# Altium PCB pcb.PcbDoc (part 1 of 3)
Units mm, origin at the board's own origin, x right, y up, seen from the top; angles counter-clockwise.
Board outline 141.5 x 36 mm, 4 copper layers (COMPONENT, GND1, GND2, SIGNAL), stack 1.62 mm thick; 144 components, 119 nets, 555 pads, 641 vias.
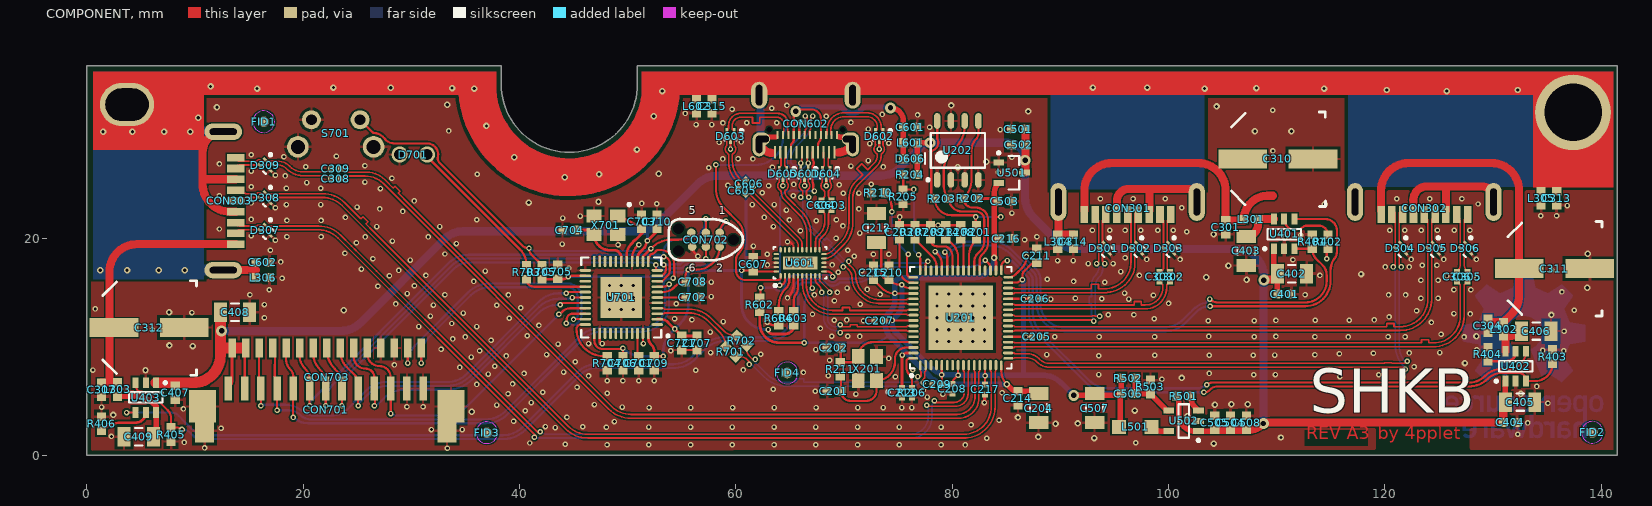
[diagram p0: COMPONENT view]
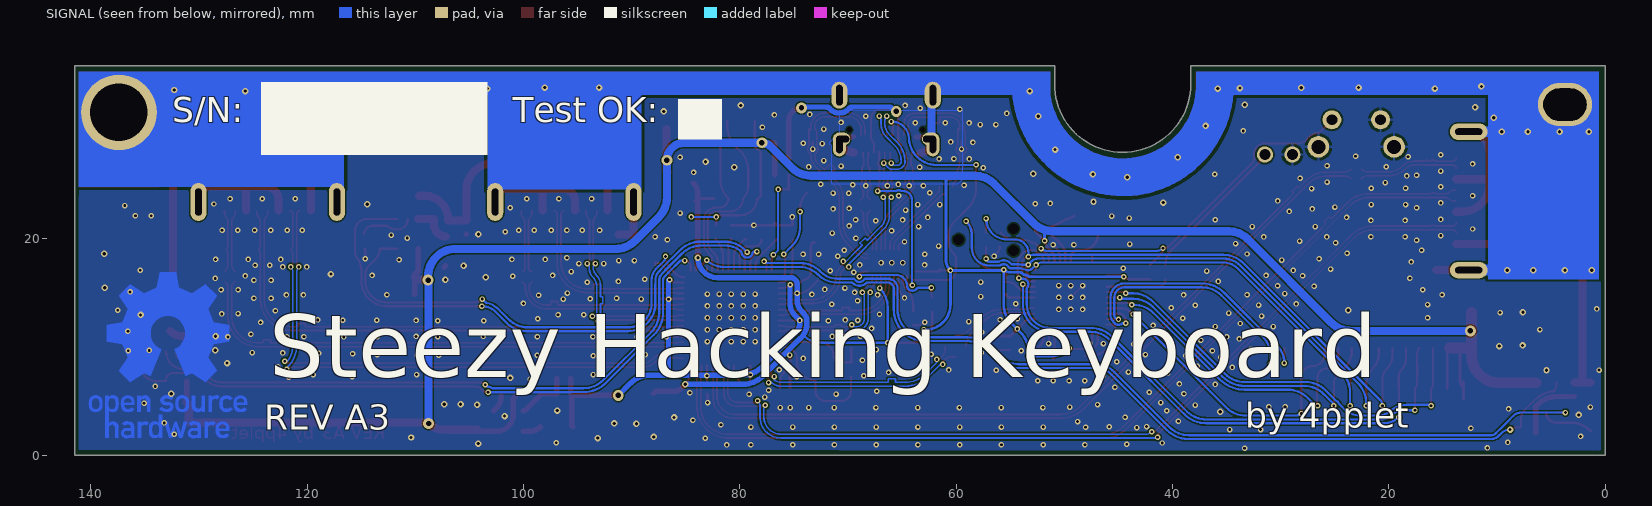
[diagram p1: SIGNAL view, seen from below]
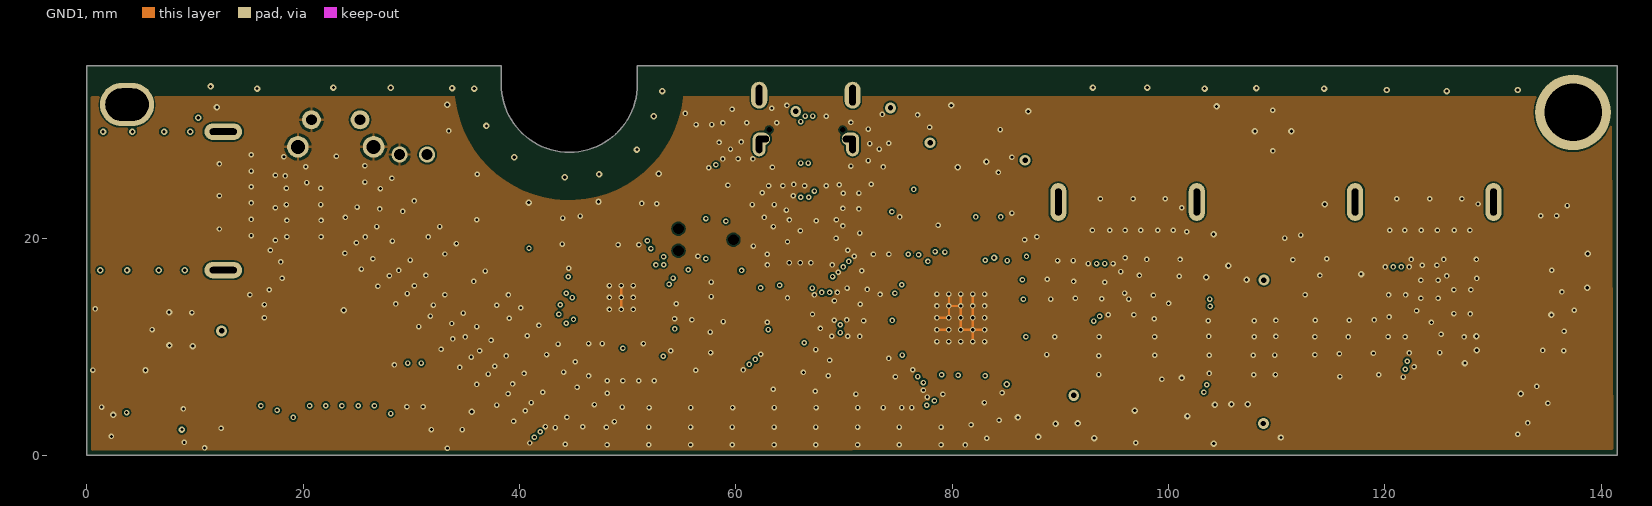
[diagram p2: GND1]
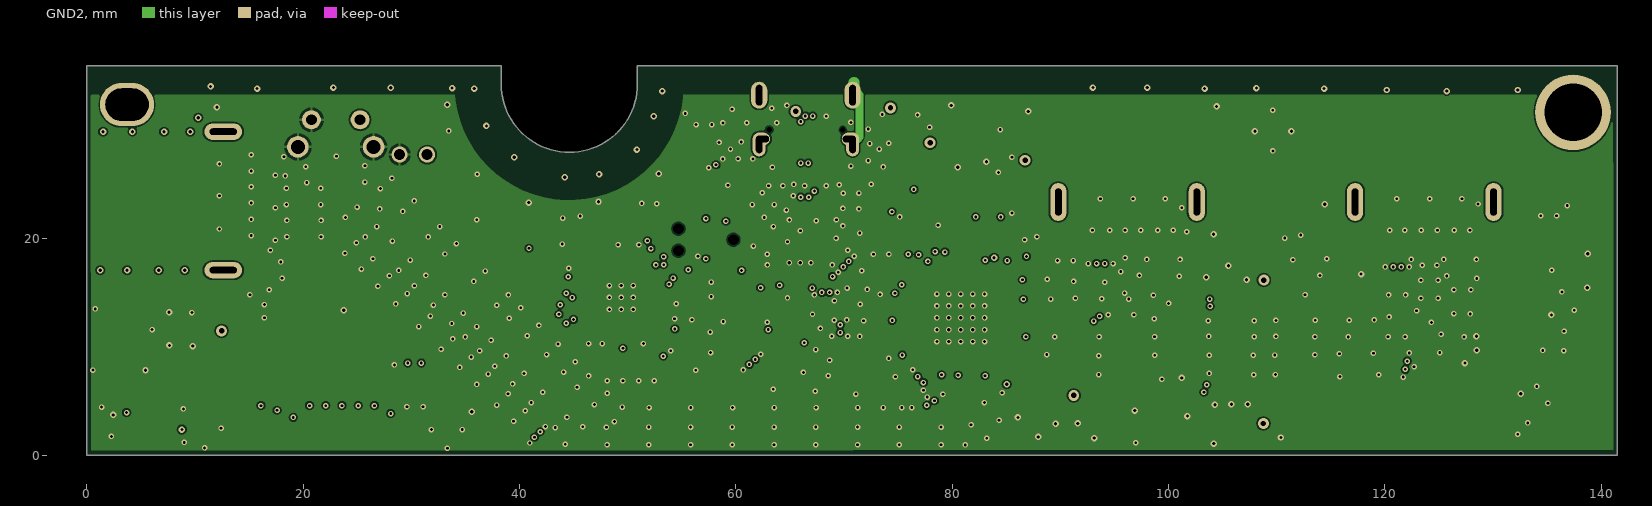
[diagram p3: GND2]

## Layer stack, top to bottom
Top Solder: solder mask 0.0102, Solder Resist, Dk 3.5
COMPONENT: signal copper 0.035
Dielectric 1: core 0.14, FR-4, Dk 4.6
GND1: signal copper 0.035
Dielectric 6: core 1.2, Dk 4.6
GND2: signal copper 0.035
Dielectric 4: core 0.14, Dk 4.6
SIGNAL: signal copper 0.035
Bottom Solder: solder mask 0.0102, Solder Resist, Dk 3.5

## Board outline
0,0 0,36 38.3,36 38.3,34.3 ccw(c44.6,34.3) 44.6,28 ccw(c44.6,34.3) 50.9,34.3 50.9,36 141.5,36 141.5,0

## Design rules (kind name [scope] priority, off if disabled: settings)
Clearance Clearance_3 [InComponent('U603') vs InNet('SHELD1')] p1 off: gap=0.152 ignorepadtopadclearanceinfootprint=FALSE except(0: Arc-Hole Track-Hole SMDPad-Hole THPad-Hole Via-Hole Fill-Hole Poly-Hole Region-Hole Text-Hole)
Clearance Clearance_1 [InNamedPolygon('Component_side_GND') vs InNet('SHELD1')] p2 off: gap=1.016 ignorepadtopadclearanceinfootprint=FALSE except(0: Arc-Hole Track-Hole SMDPad-Hole THPad-Hole Via-Hole Fill-Hole Poly-Hole Region-Hole Text-Hole)
Clearance Clearance_2 [InNamedPolygon('Solder Side-GND') vs InNet('SHELD1')] p3 off: gap=1.016 ignorepadtopadclearanceinfootprint=FALSE except(0: Arc-Hole Track-Hole SMDPad-Hole THPad-Hole Via-Hole Fill-Hole Poly-Hole Region-Hole Text-Hole)
Clearance [All] p4: gap=0.152 ignorepadtopadclearanceinfootprint=FALSE except(0: Arc-Hole Track-Hole SMDPad-Hole THPad-Hole Via-Hole Fill-Hole Poly-Hole Region-Hole Text-Hole)
DiffPairsRouting DiffPair_DIFF90DiffPairsRouting [InDifferentialPairClass('DIFF90')] p1: maxlimit=0.254 minlimit=0.127 mostfreqgap=0.203 toplayer_minwidth=0.152 toplayer_maxwidth=0.152 toplayer_prefwidth=0.152 midlayer2_minwidth=0.152 midlayer2_maxwidth=0.152 midlayer2_prefwidth=0.152 midlayer3_minwidth=0.152 midlayer3_maxwidth=0.152 midlayer3_prefwidth=0.152 bottomlayer_minwidth=0.152 bottomlayer_maxwidth=0.152 bottomlayer_prefwidth=0.152 maxuncoupledlength=0
DiffPairsRouting [All] p2: maxlimit=0.254 minlimit=0.203 mostfreqgap=0.203 toplayer_minwidth=0.152 toplayer_maxwidth=0.381 toplayer_prefwidth=0.152 midlayer2_minwidth=0.152 midlayer2_maxwidth=0.381 midlayer2_prefwidth=0.152 midlayer3_minwidth=0.152 midlayer3_maxwidth=0.381 midlayer3_prefwidth=0.152 bottomlayer_minwidth=0.152 bottomlayer_maxwidth=0.381 bottomlayer_prefwidth=0.152 maxuncoupledlength=12.7
DiffPairsRouting DiffPair_DiffPairsRouting [InDifferentialPairClass('DIFF90')] p3: maxlimit=0.254 minlimit=0.254 mostfreqgap=0.254 toplayer_minwidth=0.381 toplayer_maxwidth=0.381 toplayer_prefwidth=0.381 midlayer2_minwidth=0.381 midlayer2_maxwidth=0.381 midlayer2_prefwidth=0.381 midlayer3_minwidth=0.381 midlayer3_maxwidth=0.381 midlayer3_prefwidth=0.381 bottomlayer_minwidth=0.381 bottomlayer_maxwidth=0.381 bottomlayer_prefwidth=0.381 maxuncoupledlength=12.7
HoleSize [All] p1: absolutevalues=TRUE maxlimit=5.3 minlimit=0.254 maxpercent=80.000 minpercent=20.000
MatchedLengths MatchedLengths_USB_DiffPairs_3 [InxSignalClass('USB_CHCON301_1_RX_1') OR InxSignalClass('USB_CHCON301_1_TX_1')] p1: tolerance=0.127 checknetsindiffpair=TRUE checkdiffpairvsdiffpair=FALSE checkxsignals=FALSE checkothers=FALSE
MatchedLengths MatchedLengths_USB_DiffPairs_2 [InxSignalClass('USB_CHCON602_1_RX_2')] p2: tolerance=0.127 checknetsindiffpair=TRUE checkdiffpairvsdiffpair=FALSE checkxsignals=FALSE checkothers=FALSE
MatchedLengths MatchedLengths_USB_DiffPairs_1 [InxSignalClass('USB_CHCON602_1_RX_1') OR InxSignalClass('USB_CHCON602_1_TX_1')] p3: tolerance=0.127 checknetsindiffpair=TRUE checkdiffpairvsdiffpair=FALSE checkxsignals=FALSE checkothers=FALSE
MatchedLengths MatchedLengths_USB_DiffPairs_602 [InxSignalClass('USB_CHCON602_1_DL')] p4: tolerance=0.127 checknetsindiffpair=TRUE checkdiffpairvsdiffpair=FALSE checkxsignals=FALSE checkothers=FALSE
MatchedLengths MatchedLengths_USB_DiffPairs_303 [InxSignalClass('USB_CHCON303_1_DL') OR InxSignalClass('USB_CHCON303_1_RX') OR InxSignalClass('USB_CHCON303_1_TX')] p5: tolerance=0.127 checknetsindiffpair=TRUE checkdiffpairvsdiffpair=FALSE checkxsignals=FALSE checkothers=FALSE
MatchedLengths MatchedLengths_USB_DiffPairs_302 [InxSignalClass('USB_CHCON302_1_DL') OR InxSignalClass('USB_CHCON302_1_RX') OR InxSignalClass('USB_CHCON302_1_TX')] p6: tolerance=0.127 checknetsindiffpair=TRUE checkdiffpairvsdiffpair=FALSE checkxsignals=FALSE checkothers=FALSE
MatchedLengths MatchedLengths_USB_DiffPairs_301 [InxSignalClass('USB_CHCON301_1_DL') OR InxSignalClass('USB_CHCON301_1_RX') OR InxSignalClass('USB_CHCON301_1_TX')] p7: tolerance=0.127 checknetsindiffpair=TRUE checkdiffpairvsdiffpair=FALSE checkxsignals=FALSE checkothers=FALSE
MatchedLengths MatchedLengths_USB_DiffPairs_201 [InxSignalClass('USB_CHU201_1_RX') OR InxSignalClass('USB_CHU201_1_TX')] p8: tolerance=0.127 checknetsindiffpair=TRUE checkdiffpairvsdiffpair=FALSE checkxsignals=FALSE checkothers=FALSE
MatchedLengths MatchedLengths_USB_DiffPairs_All [InxSignalClass('All xSignals')] p9: tolerance=0.127 checknetsindiffpair=TRUE checkdiffpairvsdiffpair=FALSE checkxsignals=FALSE checkothers=FALSE
MatchedLengths MatchedLengths_USB_DiffPairs [InxSignalClass('USB_CHCON602_1_RX') OR InxSignalClass('USB_CHCON602_1_TX')] p10: tolerance=0.127 checknetsindiffpair=TRUE checkdiffpairvsdiffpair=FALSE checkxsignals=FALSE checkothers=FALSE
MinimumAnnularRing [All] p1: minimumring=0.102
MinimumSolderMaskSliver [All] p1 off: minsoldermaskwidth=0.15
PlaneClearance PlaneClearance_PADS [(InComponent('U201') Or InComponent('U701')) and InNet('PAD1')] p1: clearance=0.4
PlaneClearance [All] p2: clearance=0.508
PlaneConnect Power_connection_VBUS [InNet('PAD1') And (InComponent('U201') Or InComponent('U701'))] p1: planeconnectstyle=Relief reliefexpansion=0.3 reliefentries=4 reliefconductorwidth=0.15 reliefairgap=0.254
PlaneConnect Power_connection_VBUS_1 [InNet('NetC601_2')] p2: planeconnectstyle=Direct reliefexpansion=0.508 reliefentries=4 reliefconductorwidth=0.254 reliefairgap=0.254
PlaneConnect [All] p3: planeconnectstyle=Relief reliefexpansion=0.508 reliefentries=4 reliefconductorwidth=0.254 reliefairgap=0.254
PolygonConnect PolygonConnect_1 [All vs IsVia] p1: connectstyle=Direct reliefconductorwidth=0.254 reliefentries=4 polygonreliefangle="90 Angle" airgapwidth=0.254
PolygonConnect [All] p2: connectstyle=Relief reliefconductorwidth=0.254 reliefentries=4 polygonreliefangle="90 Angle" airgapwidth=0.254
RoutingVias RoutingVias_1 [InDifferentialPairClass('DIFF90')] p1: holewidth=0.254 width=0.254 viastyle="Through Hole" minholewidth=0.254 minwidth=0.508 maxholewidth=0.254 maxwidth=0.508
RoutingVias [All] p2: holewidth=0.254 width=0.508 viastyle="Through Hole" minholewidth=0.254 minwidth=0.508 maxholewidth=0.711 maxwidth=1.27
SolderMaskExpansion [All] p1: expansion=0.102 istentingtop=FALSE
Width Width_USB_traces [InNet('MCU_D_N') Or InNet('MCU_D_P')] p1: maxlimit=0.152 minlimit=0.152 preferedwidth=0.152
Width [All] p2: maxlimit=3.556 minlimit=0.152 preferedwidth=0.203
25 further rules are at their usual default settings.

## Classes and differential pairs
component class Designator: C201 C202 C203 C204 C205 C206 C207 C208 C209 C210 C211 C212 C213 C214 C215 C216 C217 FID1 FID2 FID3 FID4 R201 R202 R203 R204 R205 R206 R207 R208 R209 R210 R211 R214 U201 U202 X201
differential pair UP_SSTX: +UP_SSTX_P -UP_SSTX_N
differential pair UP_SSRX: +UP_SSRX_P -UP_SSRX_N
differential pair MCU_D_PRE: +MCU_D_PRE_P -MCU_D_PRE_N
differential pair UP_D: +UP_D_P -UP_D_N
differential pair P3_SSTX: +P3_SSTX_P -P3_SSTX_N
differential pair P3_SSTX_PRE: +P3_SSTX_PRE_P -P3_SSTX_PRE_N
differential pair P3_SSRX: +P3_SSRX_P -P3_SSRX_N
differential pair P3_D: +P3_D_P -P3_D_N
differential pair P2_SSTX: +P2_SSTX_P -P2_SSTX_N
differential pair P2_SSTX_PRE: +P2_SSTX_PRE_P -P2_SSTX_PRE_N
differential pair P2_SSRX: +P2_SSRX_P -P2_SSRX_N
differential pair P2_D: +P2_D_P -P2_D_N
differential pair P1_SSTX: +P1_SSTX_P -P1_SSTX_N
differential pair P1_SSTX_PRE: +P1_SSTX_PRE_P -P1_SSTX_PRE_N
differential pair P1_SSRX: +P1_SSRX_P -P1_SSRX_N
differential pair P1_D: +P1_D_P -P1_D_N
differential pair MCU_D: +MCU_D_P -MCU_D_N
differential pair UP_SSRX1: +UP_SSRX1_P -UP_SSRX1_N
differential pair UP_SSRX2: +UP_SSRX2_P -UP_SSRX2_N
differential pair UP_SSTX1_PRE: +UP_SSTX1_PRE_P -UP_SSTX1_PRE_N
differential pair UP_SSTX1: +UP_SSTX1_P -UP_SSTX1_N
differential pair UP_SSTX2_PRE: +UP_SSTX2_PRE_P -UP_SSTX2_PRE_N
differential pair UP_SSTX2: +UP_SSTX2_P -UP_SSTX2_N

## Components (designator, comment, footprint, x,y, rotation, side; value= is the part's Value field where it differs from the comment)
C201 "" C0603[1608] 69.063,5.918 r0 top value=27pF
C202 "" C0603[1608] 69.037,9.931 r0 top value=27pF
C203 "" C0603[1608] 75.133,20.599 r90 top value=1uF
C204 "" C1206[3216] 87.986,4.343 r90 top value=10uF
C205 "" C0402[1005] 87.833,10.922 r180 top value=0.1uF
C206 "" C0402[1005] 87.681,14.453 r180 top value=0.1uF
C207 "" C0402[1005] 73.279,12.421 r0 top value=0.1uF
C208 "" C0402[1005] 80.01,6.121 r90 top value=0.1uF
C209 "" C0402[1005] 78.606,6.528 r0 top value=0.1uF
C210 "" C0603[1608] 74.143,16.851 r270 top value=0.1uF
C211 "" C0603[1608] 87.808,18.44 r270 top value=0.1uF
C212 "" C1206[3216] 73,21.006 r270 top value=10uF
C213 "" C0402[1005] 75.362,5.766 r90 top value=0.1uF
C214 "" C0603[1608] 86.081,5.258 r90 top value=0.1uF
C215 "" C0603[1608] 72.718,16.851 r270 top value=0.1uF
C216 "" C0603[1608] 84.973,20.015 r180 top value=0.1uF
C217 "" C0402[1005] 83.033,6.071 r90 top value=0.1uF
C301 "" C0603[1608] 105.283,21.057 r90 top value=0.1uF
C302 "" C0402[1005] 100.127,16.5 r270 top value=0.1uF
C303 "" C0402[1005] 99.175,16.5 r270 top value=0.1uF
C304 "" C0603[1608] 129.536,11.952 r90 top value=0.1uF
C305 "" C0402[1005] 127.635,16.5 r90 top value=0.1uF
C306 "" C0402[1005] 126.675,16.5 r90 top value=0.1uF
C307 "" C0603[1608] 1.346,6.045 r90 top value=0.1uF
C308 "" C0402[1005] 23,25.552 r180 top value=0.1uF
C309 "" C0402[1005] 23,26.467 r180 top value=0.1uF
C310 "" C_9L_9M 110.109,27.381 r0 top value=120-150uF
C311 "" C_9L_9M 135.687,17.247 r0 top value=120-150uF
C312 "" C_9L_9M 5.74,11.786 r0 top value=120-150uF
C313 "" C0603[1608] 135.899,23.749 r90 top value=0.1uF
C314 "" C0603[1608] 91.211,19.736 r90 top value=0.1uF
C315 "" C0603[1608] 57.798,32.25 r90 top value=0.1uF
C401 "" C0603[1608] 110.744,14.884 r180 top value=0.1uF
C402 "" C1206[3216] 111.404,16.764 r180 top value=4.7uF
C403 "" C1206[3216] 107.188,18.872 r90 top value=22uF
C404 "" C0603[1608] 131.597,3.023 r180 top value=0.1uF
C405 "" C1206[3216] 132.512,4.902 r180 top value=4.7uF
C406 "" C1206[3216] 134.006,11.469 r180 top value=22uF
C407 "" C0603[1608] 8.153,5.766 r90 top value=0.1uF
C408 "" C1206[3216] 13.691,13.208 r180 top value=4.7uF
C409 "" C1206[3216] 4.783,1.695 r0 top value=22uF
C501 "" C0603[1608] 86.121,30.15 r0 top value=4,7uF
C502 "" C0603[1608] 86.131,28.677 r0 top value=1uF
C503 "" C0603[1608] 84.861,23.47 r180 top value=1uF
C504 "" C0603[1608] 105.74,3 r270 top value=1uF
C505 "" C0603[1608] 104.267,3 r270 top value=0.1uF
C506 "" C0603[1608] 96.266,5.69 r180 top value=18pF
C507 "" C1206[3216] 93.167,4.343 r90 top value=10uF
C508 "" C0603[1608] 107.213,3 r270 top value=1uF
C601 "" C0603[1608] 76.124,30.328 r180 top value=0.1uF
C602 "" C0603[1608] 16.25,17.813 r180 top value=0.1uF
C603 "" C0402[1005] 68.852,23.114 r270 top value=0.1uF
C604 "" C0402[1005] 67.904,23.114 r270 top value=0.1uF
C605 "" C0402[1005] 60.57,24.452 r315 top value=0.1uF
C606 "" C0402[1005] 61.216,25.099 r315 top value=0.1uF
C607 "" C0603[1608] 61.595,17.653 r270 top value=0.1uF
C701 "" C0603[1608] 51.016,8.5 r270 top value=0.1uF
C702 "" C0603[1608] 56.007,14.605 r0 top value=1uF
C703 "" C0603[1608] 51.283,21.565 r270 top value=18pF
C704 "" C0603[1608] 44.628,20.803 r0 top value=18pF
C705 "" C0603[1608] 43.536,16.942 r270 top value=0.1uF
C706 "" C0603[1608] 49.555,8.5 r90 top value=0.1uF
C707 "" C0603[1608] 56.413,10.363 r90 top value=0.1uF
C708 "" C0603[1608] 56.007,16.027 r180 top value=0.1uF
C709 "" C0603[1608] 52.451,8.5 r90 top value=1uF
C710 "" C0603[1608] 52.705,21.565 r270 top value=0.1uF
C721 "" C0603[1608] 54.991,10.363 r90 top value=0.1uF
CON301 "XKB USB-A u231-091n-4blra00-s" "XKB USB-A U231-091N-4BLRA00-S" 96.215,23.4 r180 top
CON302 "XKB USB-A u231-091n-4blra00-s" "XKB USB-A U231-091N-4BLRA00-S" 123.65,23.4 r180 top
CON303 "XKB USB-A u231-091n-4blra00-s" "XKB USB-A U231-091N-4BLRA00-S" 12.6,23.5 r270 top locked
CON602 "for up to 1.6mm pcb" "XKB USB-C U262-241N-4BV64" 66.472,31 r180 top locked
CON701 "HHKB-board connector" "JST S13B-ZR-SM4A-TF(LF)(SN)" 31.078,6.147 r180 top locked
CON702 "TC2030-IDC" TC2030-IDC-NL 57.226,19.914 r180 top
CON703 "HHKB-board connector JP" DF14A-15P-1.25H 22.161,4.5 r180 top locked
D301 "TPD2EUSB30A" TPD2EUSB30A 94.15,19 r315 top
D302 "TPD2EUSB30A" TPD2EUSB30A 97.15,19 r315 top
D303 "TPD2EUSB30A" TPD2EUSB30A 100.14,19 r315 top
D304 "TPD2EUSB30A" TPD2EUSB30A 121.57,19 r315 top
D305 "TPD2EUSB30A" TPD2EUSB30A 124.57,19 r315 top
D306 "TPD2EUSB30A" TPD2EUSB30A 127.575,19 r315 top
D307 "TPD2EUSB30A" TPD2EUSB30A 16.594,20.668 r315 top
D308 "TPD2EUSB30A" TPD2EUSB30A 16.594,23.671 r315 top
D309 "TPD2EUSB30A" TPD2EUSB30A 16.594,26.693 r315 top
D601 "TPD2EUSB30A" TPD2EUSB30A 66.345,26 r270 top locked
D602 "TPD2EUSB30A" TPD2EUSB30A 73.25,29.5 r270 top
D603 "TPD2EUSB30A" TPD2EUSB30A 59.5,29.5 r270 top
D604 "TPD2EUSB30A" TPD2EUSB30A 68.351,26 r270 top
D605 "TPD2EUSB30A" TPD2EUSB30A 64.353,26 r270 top
D606 "Diode" LED0603[1608] 76.124,27.407 r0 top
D701 "LED1" "KINGBRIGHT WP934EW" 30.175,27.788 r0 top
FID1 "Plug" FIDUCIAL_NORDIC 16.345,30.823 r180 top
FID2 "Plug" Fiducial_Nordic 139.192,2.108 r270 top
FID3 "Plug" FIDUCIAL_NORDIC 36.972,2.072 r180 top
FID4 "Plug" Fiducial_Nordic 64.745,7.595 r270 top
L301 "Inductor" L0603[1608] 107.62,21.793 r180 top value="220 @ 100MHz, 2A"
L302 "Inductor" L0603[1608] 130.983,11.647 r90 top value="220 @ 100MHz, 2A"
L303 "Inductor" L0603[1608] 2.819,6.071 r90 top value="220 @ 100MHz, 2A"
L304 "Inductor" L0603[1608] 89.764,19.736 r90 top value="220 @ 100MHz, 2A"
L305 "Inductor" L0603[1608] 134.449,23.749 r90 top value="220 @ 100MHz, 2A"
L306 "Inductor" L0603[1608] 16.25,16.416 r180 top value="220 @ 100MHz, 2A"
L501 "Inductor" CDRH2D14 96.926,2.616 r180 top value=2.2uH@1.3A
L601 "Inductor" L0603[1608] 76.124,28.88 r0 top value="220 @ 100MHz, 2A"
L602 "Inductor" L0603[1608] 56.35,32.25 r90 top value="220 @ 100MHz, 2A"
R201 "" R0603[1608] 82.245,20.6 r270 top value=4K7
R202 "" R0603[1608] 81.701,23.734 r0 top value=4K7
R203 "" R0603[1608] 79.045,23.724 r180 top value=4K7
R204 "" R0603[1608] 76.124,25.933 r0 top value=90.9K
R205 "" R0603[1608] 75.463,23.876 r270 top value=10K
R206 "" R0402[1005] 76.276,5.766 r90 top value=9K53
R207 "" R0603[1608] 76.556,20.599 r270 top value=4K7
R208 "" R0603[1608] 80.797,20.6 r270 top value=4K7
R209 "" R0603[1608] 77.978,20.6 r270 top value=4K7
R210 "" R0603[1608] 73.152,24.257 r0 top value=4K7
R211 "" R0603[1608] 69.647,7.925 r90 top value=1M
R214 "" R0603[1608] 79.4,20.6 r270 top value=4K7
R401 "" R0603[1608] 113.284,19.736 r90 top value=47K
R402 "" R0603[1608] 114.732,19.736 r270 top value=28K7
R403 "" R0603[1608] 135.505,9.107 r90 top value=47K
R404 "" R0603[1608] 129.536,9.336 r90 top value=28K7
R405 "" R0603[1608] 7.781,1.899 r270 top value=47K
R406 "" R0603[1608] 1.346,2.896 r90 top value=28K7
R501 "" R0603[1608] 101.397,5.436 r0 top value=10K
R502 "" R0603[1608] 96.291,7.112 r0 top value=237K
R503 "" R0603[1608] 98.323,6.299 r90 top value=200K
R602 "" R0603[1608] 62.205,13.909 r270 top value=200K
R603 "" R0603[1608] 65.354,12.649 r270 top value=909K
R604 "" R0603[1608] 63.957,12.649 r270 top value=4K7
R701 "" R0603[1608] 59.524,9.562 r135 top value=22R
R702 "" R0603[1608] 60.537,10.58 r135 top value=22R
R703 "" R0603[1608] 40.64,16.916 r90 top value=1K
R704 "" R0603[1608] 48.108,8.5 r90 top value=10K
R705 "" R0603[1608] 42.062,16.916 r270 top value=10K
S701 "SW-PB" "WURTH 431256038736" 23,31 r180 top locked
U201 "TUSB8041" TUSB8041_VQFN 80.79,12.694 r90 top locked
U202 "STMicroelectronics M24C02-WMN6TP" "STMicroelectronics M24C02-WMN6TP" 80.518,28.169 r90 top value=2KB
U401 "TPS2552D" SOT-23-6 110.693,20.447 r90 top
U402 "TPS2552D" SOT-23-6 132.101,8.218 r90 top
U403 "TPS2552D" SOT-23-6 5.436,5.309 r270 top
U501 "SOT23 LDO" SOT-23-3 85.496,26.111 r0 top
U502 "LM3674" SOT-23-5 101.39,3.157 r180 top
U601 "hd3ss3220" HD3SS3220 65.938,17.78 r90 top locked
U701 "ATMEGA32U4" ATMEGA32U4 49.403,14.572 r180 top
X201 "XTAL" XTAL-3225 72.161,8.001 r90 top value=24MHZ
X701 "XTAL" XTAL-3225 47.981,21.26 r180 top

## Footprints (in the part's own frame and the unit in brackets; to place one, negate y for a bottom-side part, rotate by r counter-clockwise, add the part's x,y. Pads: shape width x height; smd on the part's side, far side on the other; paste and mask are expansions set on the pad)
ATMEGA32U4 [mm]
  oval 1.05x0.25 smd: 1(-3.325,2.5) 2(-3.325,2) 3(-3.325,1.5) 4(-3.325,1) 5(-3.325,0.5) 6(-3.325,0) 7(-3.325,-0.5) 8(-3.325,-1) 9(-3.325,-1.5) 10(-3.325,-2) 11(-3.325,-2.5) 23(3.325,-2.5) 24(3.325,-2) 25(3.325,-1.5) 26(3.325,-1) 27(3.325,-0.5) 28(3.325,0) 29(3.325,0.5) 30(3.325,1) 31(3.325,1.5) 32(3.325,2) 33(3.325,2.5)
  oval 0.25x1.05 smd: 12(-2.5,-3.325) 13(-2,-3.325) 14(-1.5,-3.325) 15(-1,-3.325) 16(-0.5,-3.325) 17(0,-3.325) 18(0.5,-3.325) 19(1,-3.325) 20(1.5,-3.325) 21(2,-3.325) 22(2.5,-3.325) 34(2.5,3.325) 35(2,3.325) 36(1.5,3.325) 37(1,3.325) 38(0.5,3.325) 39(0,3.325) 40(-0.5,3.325) 41(-1,3.325) 42(-1.5,3.325) 43(-2,3.325) 44(-2.5,3.325)
  rect 3.81x3.81 smd paste-1000: 45(0,0)
  silkscreen extent -4.44,-3.7 3.7,3.7, body extent -3.6,-3.6 3.6,3.6, height 1
C0402[1005] [mm] "Chip Resistor, 2-Leads, Body 1,00x0,50mm, IPC Medium Density"
  rect 0.55x0.55 smd: 1(-0.45,0) 2(0.45,0)
  body extent -0.32,-0.27 0.33,0.28, height 0.5
C0603[1608] [mm] "Chip Resistor, 2-Leads, Body 1,57x0,80mm, IPC Medium Density"
  rect 0.8x0.85 smd: 1(-0.65,0) 2(0.65,0)
  body extent -0.83,-0.43 0.82,0.43, height 0.5
C1206[3216] [mm]
  rect 1.2x1.8 smd: 1(-1.35,0) 2(1.35,0)
  silkscreen extent -0.35,-0.8 0.35,0.8, body extent -1.6,-0.9 1.6,0.9, height 1.2
C_9L_9M [mm] "Size 9L and 9M Aluminium capacitor"
  rect 4.5x1.75 smd: 1(3.25,0) 2(-3.25,0)
  silkscreen extent -4.29,-4.39 4.39,4.34, body extent -4.8,-4.26 4.8,4.24, height 6.5
CDRH2D14 [mm]
  rect 1.3x1.3 smd: 1(-1.5,0) 2(1.5,0)
  body extent -1.76,-1.8 1.81,1.82, height 0.76
DF14A-15P-1.25H [mm]
  rect 0.7x1.8 smd: 1(8.75,-5.4) 2(7.5,-5.4) 3(6.25,-5.4) 4(5,-5.4) 5(3.75,-5.4) 6(2.5,-5.4) 7(1.25,-5.4) 8(0,-5.4) 9(-1.25,-5.4) 10(-2.5,-5.4) 11(-3.75,-5.4) 12(-5,-5.4) 13(-6.25,-5.4) 14(-7.5,-5.4) 15(-8.75,-5.4)
  rect 2.5x3 smd: 16(-11.5,0) 16(11.5,0)
FIDUCIAL_NORDIC [mm]
  round 1 smd paste+0 mask+0.5: 0(0,0)
  COMPONENT keep-out circle w0.01: c0,0 r1
Fiducial_Nordic [mm]
  round 1 smd paste+0 mask+0.5: 0(0,0)
  COMPONENT keep-out circle w0.01: c0,0 r1
HD3SS3220 [mm]
  oval 0.5x0.2 smd: 1(-1.2,1.8) 2(-1.2,1.4) 3(-1.2,1) 4(-1.2,0.6) 5(-1.2,0.2) 6(-1.2,-0.2) 7(-1.2,-0.6) 8(-1.2,-1) 9(-1.2,-1.4) 10(-1.2,-1.8) 16(1.2,-1.8) 17(1.2,-1.4) 18(1.2,-1) 19(1.2,-0.6) 20(1.2,-0.2) 21(1.2,0.2) 22(1.2,0.6) 23(1.2,1) 24(1.2,1.4) 25(1.2,1.8)
  oval 0.2x0.5 smd: 11(-0.8,-2.2) 12(-0.4,-2.2) 13(0,-2.2) 14(0.4,-2.2) 15(0.8,-2.2) 26(0.8,2.2) 27(0.4,2.2) 28(0,2.2) 29(-0.4,2.2) 30(-0.8,2.2)
  rect 1.2x3.2 smd paste-1: 31(0,0)
  silkscreen extent -2.22,-2.45 1.45,2.45, body extent -1.35,-2.35 1.35,2.35, height 0.8
"JST S13B-ZR-SM4A-TF(LF)(SN)" [mm]
  rect 0.7x2.2 smd: 1(0,0) 2(1.5,0) 3(3,0) 4(4.5,0) 5(6,0) 6(7.5,0) 7(9,0) 8(10.5,0) 9(12,0) 10(13.5,0) 11(15,0) 12(16.5,0) 13(18,0)
  rect 1.75x2.2 smd: 14(-2.2,3.9) 14(20.2,3.9)
  body extent -2.23,-0.53 20.27,5.97, height 3.7
"KINGBRIGHT WP934EW" [mm]
  round 1.5 hole 1 mask+0.102: 1(-1.27,0) 2(1.27,0)
  body extent -2.16,-1.9 2.16,6.98, height 7.35
L0603[1608] [mm] "Chip Resistor, 2-Leads, Body 1,57x0,80mm, IPC Medium Density"
  rect 0.8x0.85 smd: 1(-0.65,0) 2(0.65,0)
  body extent -0.83,-0.43 0.82,0.43, height 0.5
LED0603[1608] [mm] "Chip Resistor, 2-Leads, Body 1,57x0,80mm, IPC Medium Density"
  rect 0.8x0.85 smd: 1(-0.65,0) 2(0.65,0)
  silkscreen extent 1.37,-0.51 1.37,0.53, body extent -0.77,-0.4 0.83,0.4, height 0.8
R0402[1005] [mm] "Chip Resistor, 2-Leads, Body 1,00x0,50mm, IPC Medium Density"
  rect 0.55x0.55 smd: 1(-0.45,0) 2(0.45,0)
  body extent -0.32,-0.27 0.33,0.28, height 0.5
R0603[1608] [mm] "Chip Resistor, 2-Leads, Body 1,57x0,80mm, IPC Medium Density"
  rect 0.8x0.85 smd: 1(-0.65,0) 2(0.65,0)
  body extent -0.83,-0.43 0.82,0.43, height 0.5
SOT-23-3 [mm] "3.3v regulator, used in Windsond S2 proto 1"
  rect 1x0.55 smd: 1(-1.2,0.95) 2(-1.2,-0.95) 3(1.2,0)
  silkscreen extent -1.32,-1.55 0.7,1.95, body extent -1.45,-1.5 1.1,1.5, height 1
SOT-23-5 [mm]
  rect 1x0.55 smd: 1(-1.375,0.95) 2(-1.375,0) 3(-1.375,-0.95) 4(1.375,-0.95) 5(1.375,0.95)
  silkscreen extent -1.5,-1.55 0.46,1.92, body extent -1.63,-1.5 1.58,1.5, height 0.92
SOT-23-6 [mm]
  rect 1x0.55 smd: 1(-1.375,0.95) 2(-1.375,0) 3(-1.375,-0.95) 4(1.375,-0.95) 5(1.375,0) 6(1.375,0.95)
  silkscreen extent -1.5,-1.55 0.46,1.92, body extent -1.37,-1.44 1.47,1.49, height 1.05
"STMicroelectronics M24C02-WMN6TP" [mm] "SOP, 8-Leads, Body 4.90x3.90mm, Pitch 1.27mm, IPC Medium Density"
  oval 1.45x0.6 smd: 1(-2.725,1.905) 2(-2.725,0.635) 3(-2.725,-0.635) 4(-2.725,-1.905) 5(2.725,-1.905) 6(2.725,-0.635) 7(2.725,0.635) 8(2.725,1.905)
  silkscreen extent -2.85,-2.5 1.6,2.88, body extent -3,-2.5 3,2.5, height 1.75
TC2030-IDC-NL [mm] "Tag-Connect 6-Pin with No Legs (PN# TC2030-IDC-NL)"
  round 0.9 hole 0.995 unplated: 0(-2.54,0) 0(2.54,-1.016) 0(2.54,1.016)
  round 0.79 smd paste-0.39: 1(-1.27,-0.635) 2(-1.27,0.635) 3(0,-0.635) 4(0,0.635) 5(1.35,-0.635) 6(1.27,0.635)
  silkscreen extent -3.43,-1.9 3.43,1.9
TPD2EUSB30A [mm] "SOTFL, 3-Leads, Body 1.00x1.00mm, Pitch 0.35mm, IPC Medium Density"
  rect 0.5x0.25 smd: 1(-0.5,0.35) 2(-0.5,-0.35) 3(0.5,0)
  silkscreen extent -0.62,-0.55 0.43,1.15, body extent -0.42,-0.53 0.42,0.53, height 0.5
TUSB8041_VQFN [mm]
  oval 0.9x0.25 smd: 1(-4.4,3.75) 16(-4.4,-3.75) 33(4.4,-3.75) 48(4.4,3.75)
  oval 0.95x0.25 smd: 2(-4.375,3.25) 3(-4.375,2.75) 4(-4.375,2.25) 5(-4.375,1.75) 6(-4.375,1.25) 7(-4.375,0.75) 8(-4.375,0.25) 9(-4.375,-0.25) 10(-4.375,-0.75) 11(-4.375,-1.25) 12(-4.375,-1.75) 13(-4.375,-2.25) 14(-4.375,-2.75) 15(-4.375,-3.25) 34(4.375,-3.25) 35(4.375,-2.75) 36(4.375,-2.25) 37(4.375,-1.75) 38(4.375,-1.25) 39(4.375,-0.75) 40(4.375,-0.25) 41(4.375,0.25) 42(4.375,0.75) 43(4.375,1.25) 44(4.375,1.75) 45(4.375,2.25) 46(4.375,2.75) 47(4.375,3.25)
  oval 0.25x0.9 smd: 17(-3.75,-4.4) 32(3.75,-4.4) 49(3.75,4.4) 64(-3.75,4.4)
  oval 0.25x0.95 smd: 18(-3.25,-4.375) 19(-2.75,-4.375) 20(-2.25,-4.375) 21(-1.75,-4.375) 22(-1.25,-4.375) 23(-0.75,-4.375) 24(-0.25,-4.375) 25(0.25,-4.375) 26(0.75,-4.375) 27(1.25,-4.375) 28(1.75,-4.375) 29(2.25,-4.375) 30(2.75,-4.375) 31(3.25,-4.375) 50(3.25,4.375) 51(2.75,4.375) 52(2.25,4.375) 53(1.75,4.375) 54(1.25,4.375) 55(0.75,4.375) 56(0.25,4.375) 57(-0.25,4.375) 58(-0.75,4.375) 59(-1.25,4.375) 60(-1.75,4.375) 61(-2.25,4.375) 62(-2.75,4.375) 63(-3.25,4.375)
  rect 6x6 smd paste-1000: 65(0,0)
  silkscreen extent -5.47,-4.7 4.7,4.7, body extent -4.6,-4.6 4.6,4.6, height 1
"WURTH 431256038736" [mm]
  round 1.75 hole 1 mask+0.102: 1(-2.25,0) 2(2.25,0)
  round 2 hole 1.3 mask+0.102: 3(-3.5,2.5) 3(3.5,2.5)
  body extent -4.2,-3.85 4.2,4, height 7.2
"XKB USB-A U231-091N-4BLRA00-S" [mm]
  rect 0.7x1.6 smd: 1(4,1.15) 2(3,1.15) 3(2,1.15) 4(1,1.15) 5(0,1.15) 6(-1,1.15) 7(-2,1.15) 8(-3,1.15) 9(-4,1.15)
  oval 1.5x3.5 hole 0.6 slot 2.5 at 90 deg: G(-6.4,0) G(6.4,0)
  body extent -7.25,-12.62 7.25,1.6, height 7.65
"XKB USB-C U262-241N-4BV64" [mm]
  oval 1.2x2.2 hole 0.6 slot 1.6 at 90 deg: 2(4.32,2.275) G(-4.32,2.275)
  rect 0.2x1.2 smd: A1(-2.63,3) A2(-2.13,3) A3(-1.63,3) A4(-1.13,3) A5(-0.63,3) A6(-0.13,3) A7(0.37,3) A8(0.87,3) A9(1.37,3) A10(1.87,3) A11(2.37,3) A12(2.87,3)
  rect 0.2x0.75 smd: B1(2.62,1.4) B2(2.12,1.4) B3(1.62,1.4) B4(1.12,1.4) B5(0.62,1.4) B6(0.12,1.4) B7(-0.38,1.4) B8(-0.88,1.4) B9(-1.38,1.4) B10(-1.88,1.4) B11(-2.38,1.4) B12(-2.88,1.4)
  oval 1.5x2.5 hole 0.6 slot 1.9 at 90 deg: G(-4.32,-2.275) G(4.32,-2.275)
  oval 1.4x1.2 hole 0.6 slot 1.2 at 0 deg: G(-4.013,1.778) G(4.013,1.778)
  round 0 hole 0.5 unplated: ""(-3.4,0.925) ""(3.4,0.925)
  body extent -4.63,-4.98 4.63,3.12, height 3.35
XTAL-3225 [mm]
  rect 1.4x1.2 smd: 1(-1.1,-0.85) 2(1.1,-0.85) 3(1.1,0.85) 4(-1.1,0.85)
  silkscreen extent -2.28,-2.03 -2.03,-1.78, body extent -1.6,-1.25 1.6,1.25, height 0.65

## Part data
C201 C202: library part Cap, "Capacitor", JLC=BASIC, LCSC MFG="Samsung Electro-Mechanics", LCSC Part #=C1656, MRF.Part=CL10C270JB8NNNC, Version="0603 imperial"
C203 C504 C508 C702 C709: library part Cap, "Capacitor", JLC=BASIC, LCSC MFG="Samsung Electro-Mechanics", LCSC Part #=C15849, MFG=KEMET, MFGPN=C0603C105K4RACTU, MRF.Part=CL10A105KB8NNNC, Version="0603 imperial"
C204 C212 C507: library part Cap, "Capacitor", JLC=BASIC, LCSC MFG="Samsung Electro-Mechanics", LCSC Part #=C13585, MFG=KEMET, MFGPN=C1206C106K4PACTU, MRF.Part=CL31A106KBHNNNE, Version="1206 imperial"
C205 C206 C207 C208 C209 C213 C217 C302 C303 C305 C306 C308 C309 C603 C604 C605 C606: library part Cap, "Capacitor", JLC=BASIC, LCSC MFG="Samsung Electro-Mechanics", LCSC Part #=C1525, MFG=KEMET, MFGPN=C0402C104K8PACTU, MRF.Part=CL05B104KO5NNNC, Version="0402 imperial"
C210 C211 C214 C215 C216 C301 C304 C307 C313 C314 C315 C401 C404 C407 C505 C601 C602 C607 C701 C705 C706 C707 C708 C710 C721: library part Cap, "Capacitor", JLC=BASIC, LCSC MFG=YAGEO, LCSC Part #=C14663, MFG=KEMET, MFGPN=C0603C104M5RACTU, MRF.Part=CC0603KRX7R9BB104, Version="0603 imperial"
C310 C311 C312: library part Cap, "Capacitor", JLC=EXTENDED, LCSC MFG=Lelon, LCSC Part #=C250088, MFG="Würth Elektronik", MFGPN=865080349011, MRF.Part=OVZ121M1CTR-0807, Version="SMD - 9L or 9M"
C402 C405 C408: library part Cap, "Capacitor", JLC=BASIC, LCSC MFG="Guangdong Fenghua Advanced Tech", LCSC Part #=C29823, MFG=KEMET, MFGPN=C1206C475K4PACTU, MRF.Part=1206B475K500NT, Version="1206 imperial"
C403 C406 C409: library part Cap, "Capacitor", JLC=BASIC, LCSC MFG="Samsung Electro-Mechanics", LCSC Part #=C45783, MFG=KEMET, MFGPN=C1206C226M8RACTU, MRF.Part=CL21A226MAQNNNE, Version="1206 imperial"
C501: library part Cap, "Capacitor", LCSC MFG="Samsung Electro-Mechanics", LCSC Part #=C19666, MRF.Part=CL10A475KO8NNNC
C502 C503: library part Cap, "Capacitor", LCSC MFG="Samsung Electro-Mechanics", LCSC Part #=C15849, MFG=KEMET, MFGPN=C0603C104M5RACTU, MRF.Part=CL10A105KB8NNNC, Version="0603 imperial"
C506 C703 C704: library part Cap, "Capacitor", JLC=BASIC, LCSC MFG="Samsung Electro-Mechanics", LCSC Part #=C1647, MFG=KEMET, MFGPN=C0603C180J5GACAUTO, MRF.Part=CL10C180JB8NNNC, Version="0603 imperial"
CON301 CON302 CON303: JLC=NONE, LCSC MFG="XKB Connectivity", LCSC Part #=C381140, MRF.Part=U231-091N-4BLRA00-S-1
CON602: library part "XKB USB-C u262-241n-4bv64", JLC=NONE, LCSC MFG="XKB Connectivity", LCSC Part #=C388660, MRF.Part=U262-241N-4BV64
CON701: library part "Header 14", JLC=NONE, MFG="JST Sales America Inc", MFGPN=S13B-ZR-SM4A-TF(LF)(SN)
CON702: library part "Header 3X2", "Header, 3-Pin, Dual row", JLC=DNP
CON703: library part DF14A-15P-1.25H, JLC=NONE, MFG="Hirose Electric Co Ltd", MFGPN=DF14A-15P-1.25H(26)
D301 D302 D303 D304 D305 D306 D307 D308 D309 D601 D602 D603 D604 D605: JLC=NONE, LCSC MFG="Texas Instruments", LCSC Part #=C94934, MFG="Texas Instruments", MFGPN=TPD2EUSB30ADRTR, MRF.Part=TPD2EUSB30ADRTR
D606: "Default Diode", JLC=DNP, MFG="Comchip Technology", Version="0603 imperial"
D701: "Typical RED GaAs LED", JLC=NONE, LCSC MFG=MEIHUA, LCSC Part #=C417351, MFG=Kingbright, MFGPN=WP934EW/GD, MRF.Part=MHK1373CGBCT, Version="Kingsbright LED"
FID1 FID2 FID3 FID4: JLC=DNP
L301 L302 L303 L304 L305 L306 L601 L602: JLC=EXTENDED, LCSC MFG="Murata Electronics", LCSC Part #=C85832, MFG="Murata Electronics North America", MFGPN=BLM18KG221SN1D, MRF.Part=BLM18KG331SN1D, Version="0603 imperial"
L501: JLC=NONE, LCSC MFG=Sumida, LCSC Part #=C167267, MFG=Sumida, MFGPN=CDRH2D14NP-2R2NC, MRF.Part=CDRH2D14NP-2R2NC
R201 R202 R203 R207 R208 R209 R210 R214 R604: library part Res1, "Resistor", JLC=BASIC, LCSC MFG="Uniroyal Elec", LCSC Part #=C23162, MFG="Vishay Dale", MFGPN=RCA06034K70FKEA, MRF.Part=0603WAF4701T5E, Version="0603 imperial"
R204: library part Res1, "Resistor", JLC=EXTENDED, LCSC MFG="Uniroyal Elec", LCSC Part #=C51222, MFG="Vishay Dale", MFGPN=CRCW060390K9FKEA, MRF.Part=TC0325D9092T5E, Version="0603 imperial"
R205 R501 R704 R705: library part Res1, "Resistor", JLC=BASIC, LCSC MFG="Uniroyal Elec", LCSC Part #=C25804, MFG="Vishay Dale", MFGPN=RCA060310K0FKEA, MRF.Part=0603WAF1002T5E, Version="0603 imperial"
R206: library part Res1, "Resistor", JLC=EXTENDED, LCSC MFG="Uniroyal Elec", LCSC Part #=C23127, MFG="Vishay Dale", MFGPN=CRCW06039K53FKEA, MRF.Part=0603WAF9531T5E, Version="0603 imperial"
R211: library part Res1, "Resistor", JLC=BASIC, LCSC MFG=0603WAF1004T5E, LCSC Part #=C22935, MFG="Vishay Dale", MFGPN=RCA06031M00FKEA, MRF.Part=0603WAF1004T5E, Version="0603 imperial"
R401 R403 R405: library part Res1, "Resistor", JLC=BASIC, LCSC MFG="Uniroyal Elec", LCSC Part #=C25819, MFG="Vishay Dale", MFGPN=RCA060347K0FKEA, MRF.Part=0603WAF4702T5E, Version="0603 imperial"
R402 R404 R406: library part Res1, "Resistor", JLC=BASIC, LCSC MFG="Uniroyal Elec", LCSC Part #=C22928, MFG="Vishay Dale", MFGPN=CRCW060328K7FKEA, MRF.Part=0603WAF2872T5E, Version="0603 imperial"
R502: library part Res1, "Resistor", JLC=EXTENDED, LCSC MFG="Uniroyal Elec", LCSC Part #=C22914, MFG="Vishay Dale", MFGPN=CRCW0603237KFKEA, MRF.Part=0603WAF2373T5E, Version="0603 imperial"
R503 R602: library part Res1, "Resistor", JLC=BASIC, LCSC MFG="Uniroyal Elec", LCSC Part #=C25811, MFG="Vishay Dale", MFGPN=CRCW0603200KFKEB, MRF.Part=0603WAF2003T5E, Version="0603 imperial"
R603: library part Res1, "Resistor", JLC=EXTENDED, LCSC MFG="Uniroyal Elec", LCSC Part #=C22935, MFG="Vishay Dale", MFGPN=CRCW0603909KFKEA, MRF.Part=0603WAF9093T5E, Version="0603 imperial"
R701 R702: library part Res1, "Resistor", JLC=BASIC, LCSC MFG="Uniroyal Elec", LCSC Part #=C23345, MFG="Vishay Dale", MFGPN=CRCW060322R0FKEAC, MRF.Part="0603WAF220JT5E  0603WAF220JT5E", Version="0603 imperial"
R703: library part Res1, "Resistor", JLC=BASIC, LCSC MFG="Uniroyal Elec", LCSC Part #=C21191, MFG="Vishay Dale", MFGPN=RCA06031K00FKEA, MRF.Part=0603WAF1001T5E, Version="0603 imperial"
S701: "Switch", JLC=NONE, LCSC MFG="Korean Hroparts Elec", LCSC Part #=C127680, MFG="Wurth Electronics Inc", MFGPN=431256038736, MRF.Part=K2-1102AQ-C4CW-01
U201: JLC=NONE, LCSC MFG="Texas Instruments", LCSC Part #=C702389, MFG="Texas Instruments", MFGPN=TUSB8042RGCT, MRF.Part=TUSB8042RGCR
U202: JLC=BASIC, LCSC MFG=STMicroelectronics, LCSC Part #=C7562, MRF.Part=M24C02-WMN6TP, Version="SO8 2KB"
U401 U402 U403: JLC=EXTENDED, LCSC MFG="ROHM Semicon", LCSC Part #=C84988, MFG="Texas Instruments", MFGPN=TPS2552DBVR, MRF.Part=BD2243G-GTR
U501: LCSC MFG="Torex Semicon", LCSC Part #=C5446, MFG="Texas Instruments", MFGPN=TPS7A0533PDBZ, MRF.Part=XC6206P332MR
U502: JLC=NONE, LCSC MFG="Texas Instruments", LCSC Part #=C52027, MFG="Texas Instruments", MFGPN=LM3674MF-ADJ/NOPB, MRF.Part=LM3674MF-ADJ/NOPB
U601: JLC=NONE, LCSC MFG="Texas Instruments", LCSC Part #=C165155, MFG="Texas Instruments", MFGPN=HD3SS3220RNHR, MRF.Part=HD3SS3220RNHR
U701: JLC=EXTENDED, LCSC MFG="Microchip Tech", LCSC Part #=C45874, MFG="Microchip Technology", MFGPN=ATMEGA32U4-MUR, MRF.Part=ATMEGA32U4-MUR
X201: "Crystal Oscillator", JLC=EXTENDED, LCSC MFG="Seiko Epson", LCSC Part #=C91744, MFG=EPSON, MFGPN="TSX-3225 24.0000MF18X-C0", MRF.Part=X1E0000210264, Version="3225, 18pF"
X701: "Crystal Oscillator", JLC=BASIC, LCSC MFG="Yangxing Tech", LCSC Part #=C13738, MRF.Part=X322516MLB4SI

## Free pads (board coordinates)
  oval 5x4 hole 3 slot 4 at 0 deg paste-1: ""(3.701,32.406)
  round 7 hole 5.3: ""(137.408,31.686)

## Via types
v1: diameter 0.508, hole 0.254, COMPONENT to SIGNAL, tented both sides, 518 vias
v2: diameter 0.6, hole 0.3, COMPONENT to SIGNAL, tented both sides, 78 vias
v3: diameter 0.508, hole 0.3, COMPONENT to SIGNAL, 37 vias
v4: diameter 1, hole 0.5, COMPONENT to SIGNAL, tented both sides, 8 vias

## Nets (pads, with @x,y where several pads share a name; then routed paths per layer and width w, separated by ;. In a path a pad name is that pad's centre, name@x,y a point inside that pad or via, vN(x,y) a via of type N, cw(c..) or ccw(c..) an arc to the next point about the centre after c; other vN are vias at no path point)
GND: C201.1 C202.1 C203.2 C204.1 C205.1 C206.1 C207.1 C208.1 C209.1 C210.1 C211.1 C212.1 C213.1 C214.1 C215.1 C216.1 C217.1 C301.1 C304.1 C307.1 C310.1 C311.1 C312.1 C313.1 C314.1 C315.1 C401.1 C402.1 C403.1 C404.1 C405.1 C406.1 C407.1 C408.1 C409.1 C501.1 C502.1 C503.1 C504.1 C505.1 C507.1 C508.1 C601.1 C602.1 C607.1 C701.2 C702.2 C703.1 C704.1 C705.1 C706.1 C707.1 C708.1 C709.1 C710.1 C721.1 CON701.1 CON701.2 CON701.14 CON702.6 CON703.12 CON703.13 CON703.16 D301.3 D302.3 D303.3 D304.3 D305.3 D306.3 D307.3 D308.3 D309.3 D601.3 D602.3 D603.3 D604.3 D605.3 D701.1 L304.1 L305.1 L306.1 L602.1 R205.2 R206.1 R207.1 R208.1 R209.1 R210.1 R214.1 R401.2 R402.2 R403.2 R404.2 R405.2 R406.2 R503.2 R604.2 R704.1 S701.2 S701.3 U201.65 U202.1 U202.2 U202.3 U202.4 U202.7 U401.2 U402.2 U403.2 U501.1 U502.2 U601.4 U601.12 U601.13 U601.22 U601.28 U601.29 U601.31 U701.5 U701.15 U701.23 U701.35 U701.43 U701.45 X201.2 X201.4 X701.2 X701.4 | length 42.4
  COMPONENT w0.2: v3(48.303,15.672) v3(49.403,14.572) ; CON702.6@55.956,19.279 ccw(c56.815,19.279) 56.208,18.672 v1(56.49,18.39) ; v1(59.5,28.294) D603.3@59.5,29 ; v1(62.89,12.294) ccw(c63.601,13.004) 63.601,11.999 R604.2@63.957,11.999 ; v1(64.353,24.9) D605.3@64.353,25.5 ; v1(64.77,19.736) cw(c64.77,19.167) 65.338,19.167 U601.22@65.338,18.98 ; v1(66.344,24.9) D601.3@66.345,25.5 ; v1(68.351,24.9) D604.3@68.351,25.5 ; v1(73.25,28.294) D602.3@73.25,29 ; v1(114.63,18.161) 114.63,18.984 cw(c114.732,18.984) R402.2@114.732,19.086
  COMPONENT w0.203: U701.35@47.403,11.247 47.403,10.56 ccw(c47.65,10.56) v1(47.65,10.312) ; U701.15@50.403,17.897 50.403,18.141 cw(c52.192,18.141) 50.7,19.128 cw(c52.192,18.141) 50.927,19.406 50.978,19.456 v1(51.029,19.456) ; U701.43@51.403,11.247 51.403,10.361 v1(51.448,10.316) ; C721.1@54.991,9.713 C707.1@56.413,9.713 ; v1@64.77,14.681 v1(64.77,14.529) 64.814,14.573 ccw(c63.548,15.839) 65.338,15.839 U601.4@65.338,16.58 ; v1(69.469,16.916) v1@69.469,17.043
  COMPONENT w0.254: C210.1@74.143,17.501 C210.1@74.143,17.729 ; v1(75.159,22.022) 75.133,21.996 C203.2@75.133,21.249 80.747,21.249 R208.1@80.797,21.3 ; R207.1@76.556,21.249 R207.1@76.759,21.453 ; v1(82.982,4.851) 82.982,5.57 C217.1@83.033,5.621
  COMPONENT w0.5: C301.1@105.268,20.422 C301.1@105.283,20.407 ; C403.1@107.188,17.522 C403.1@107.34,17.37
  GND1 w0.203: v3(49.403,13.472) v3(49.403,14.572) v3(49.403,15.672) ; v3(78.59,11.594) v3(79.69,11.594) ; v3(79.69,12.694) v3(79.69,13.794) ; v3(79.69,14.894) v3(79.69,13.794) ; v3(80.79,14.894) v3(80.79,13.794) ; v3(81.89,10.494) v3(81.89,11.594) ; v3(81.89,12.694) v3(81.89,11.594) ; v3(81.89,13.794) v3(81.89,14.894) ; v3(82.99,11.594) v3(81.89,11.594) ; v3(79.69,13.794) v3(80.79,13.794) ; v3(80.79,13.794) v3(80.79,12.694) v3(80.79,11.594) v3(81.89,11.594)
  GND1 w0.254: v3(78.59,12.694) v3(79.69,12.694) ; v3(81.89,12.694) v3(81.89,13.794)
  other v1: 33.325,0.635 10.871,0.66 81.204,0.94 48.082,0.965 51.943,0.965 55.804,0.966 59.665,0.966 63.525,0.966 67.386,0.966 71.247,0.966 75.108,0.967 78.969,0.967 44.221,0.991 40.945,1.118 96.977,1.143 8.992,1.168 83.185,1.549 2.261,1.727 132.283,1.93 31.852,2.362 34.696,2.362 12.395,2.489 43.307,2.54 48.031,2.565 51.943,2.591 55.804,2.591 59.665,2.591 63.525,2.591 67.386,2.592 71.247,2.592 75.108,2.592 78.969,2.592 45.847,2.616 42.393,2.642 81.737,2.794 133.223,2.972 48.768,3.099 39.446,3.124 84.328,3.226 44.374,3.505 40.513,4.089 8.915,4.267 51.968,4.393 55.829,4.393 59.69,4.394 63.551,4.394 67.412,4.394 71.272,4.394 73.635,4.394 75.336,4.394 76.251,4.394 1.346,4.445 49.479,4.445 29.578,4.47 31.078,4.47 37.897,4.623 46.914,4.674 135.077,4.801 41.072,4.851 77.699,5.359 79.146,5.613 71.095,5.639 38.938,5.664 48.108,5.715 84.607,5.766 42.139,5.817 67.335,5.893 77.343,5.994 63.449,6.096 45.314,6.274 134.036,6.35 36.043,6.528 39.345,6.579 48.108,6.883 49.555,6.883 51.016,6.883 52.451,6.883 99.39,7.01 121.691,7.214 74.752,7.239 115.849,7.264 46.38,7.315 68.529,7.341 107.874,7.417 119.431,7.417 93.548,7.442 109.88,7.442 37.109,7.493 40.411,7.544 103.759,7.544 66.243,7.645 44.069,7.671 56.286,7.849 0.551,7.862 60.681,7.874 76.352,7.899 34.468,8.103 122.707,8.179 37.694,8.204 28.423,8.331 45.136,8.636 68.656,8.763 74.143,8.941 35.535,9.068 38.76,9.169 93.548,9.195 98.73,9.22 103.759,9.22 107.823,9.22 109.83,9.246 113.538,9.271 42.494,9.296 88.748,9.296 62.306,9.322 115.799,9.373 118.948,9.423 122.25,9.449 57.658,9.474 125.07,9.474 36.297,9.652 53.975,9.652 136.55,9.652 134.595,9.677 67.386,9.754 32.741,9.779 43.561,10.262 46.38,10.312 37.363,10.617 33.807,10.744 34.976,10.922 116.611,10.922 127.33,10.922 89.484,10.947 93.574,10.947 98.704,10.947 107.925,10.947 113.538,10.947 120.294,10.947 121.869,10.947 71.45,10.973 103.708,10.973 109.931,10.973 68.859,10.998 70.333,10.998 40.716,11.024 125.197,11.176 57.633,11.379 136.576,11.455 6.02,11.608 67.818,11.709 30.683,11.887 36.043,11.887 41.783,11.989 33.731,12.167 124.308,12.268 58.826,12.344 71.806,12.421 103.683,12.421 107.925,12.421 109.931,12.446 69.088,12.471 113.563,12.471 116.713,12.471 70.256,12.497 119.024,12.497 55.931,12.522 54.331,12.598 98.679,12.598 39.04,12.649 16.408,12.7 120.396,12.776 31.75,12.852 94.437,12.979 96.799,12.979 67.081,13.03 127.889,13.056 126.39,13.081 34.798,13.132 9.703,13.183 122.936,13.335 137.516,13.386 0.762,13.513 40.107,13.614 37.897,13.843 32.029,13.868 16.408,13.919 71.501,13.945 28.55,13.97 54.483,13.995 100,14.021 69.113,14.275 89.103,14.427 96.317,14.427 93.828,14.453 91.393,14.503 123.342,14.503 124.917,14.503 57.709,14.656 98.603,14.783 38.964,14.808 67.259,14.808 120.345,14.808 121.92,14.808 15.062,14.834 33.096,14.834 112.624,14.834 73.33,14.859 29.616,14.935 95.936,14.986 69.393,15.037 136.373,15.088 16.842,15.282 126.39,15.291 127.965,15.291 72.136,15.316 70.282,15.443 26.899,15.621 30.277,15.646 94.107,15.977 57.709,16.002 35.763,16.053 91.215,16.053 123.342,16.154 124.917,16.154 88.798,16.256 128.499,16.332 18.034,16.358 100.99,16.535 125.73,16.561 27.965,16.586 31.344,16.612 97.307,16.612 113.995,16.612 95.58,16.967 36.83,17.018 71.628,17.043 28.829,17.069 135.433,17.094 25.375,17.196 44.552,17.272 120.04,17.399 122.25,17.399 123.469,17.551 124.816,17.551 62.916,17.577 68.91,17.577 92.583,17.704 94.869,17.704 17.907,17.856 89.738,17.983 91.186,17.983 29.896,18.034 111.506,18.059 97.991,18.085 101.067,18.085 122.449,18.085 125.446,18.085 128.469,18.085 26.441,18.161 95.987,18.237 70.942,18.39 62.89,18.567 72.72,18.567 74.145,18.567 33.096,18.593 23.851,18.669 16.959,18.947 70.333,18.948 61.62,19.329 49.098,19.456 43.942,19.507 34.163,19.558 24.917,19.634 28.245,19.787 17.424,19.857 86.69,19.914 69.266,20.041 110.744,20.066 25.73,20.168 31.547,20.168 18.491,20.193 21.641,20.193 87.833,20.193 15.189,20.295 112.217,20.345 71.45,20.523 101.676,20.65 65.964,20.752 92.964,20.8 94.564,20.8 95.987,20.8 97.434,20.8 99.009,20.8 100.432,20.8 120.447,20.8 121.844,20.8 123.368,20.8 124.866,20.8 126.416,20.8 127.864,20.8 12.243,20.904 26.797,21.133 32.614,21.133 63.475,21.133 69.901,21.184 78.689,21.26 67.437,21.666 18.491,21.692 21.641,21.692 64.948,21.742 36.043,21.768 69.291,21.768 15.189,21.793 43.993,21.92 23.901,21.971 62.611,21.971 45.618,22.098 134.424,22.123 135.874,22.123 85.522,22.377 29.185,22.53 64.668,22.657 27.076,22.758 71.374,22.758 69.901,22.809 17.424,22.86 101.219,22.86 24.968,22.936 136.875,23.074 18.44,23.165 21.615,23.165 61.519,23.165 63.551,23.165 128.626,23.216 52.68,23.241 51.283,23.266 15.189,23.317 30.251,23.495 93.701,23.7 96.723,23.7 99.695,23.7 121.107,23.7 124.155,23.7 127.127,23.7 12.243,23.978 65.303,23.978 69.926,24.206 71.374,24.232 62.433,24.257 27.127,24.638 18.44,24.663 21.615,24.663 15.189,24.816 63.017,24.892 59.258,24.943 69.545,24.994 65.354,25.019 72.517,25.044 20.32,25.197 25.705,25.248 28.194,25.603 18.339,25.806 17.424,25.883 36.093,25.959 84.277,26.137 15.189,26.264 57.48,26.568 63.373,26.619 73.635,26.645 20.218,26.67 70.637,26.721 25.705,26.746 12.243,26.924 72.238,27.229 58.776,27.381 61.57,27.381 60.198,27.407 85.522,27.534 18.212,27.584 23.063,27.635 15.189,27.762 109.652,28.118 72.365,28.804 74.143,28.829 58.445,28.905 60.503,28.956 33.452,29.972 84.43,30.099 72.238,30.15 77.902,30.302 56.312,30.556 57.76,30.556 58.801,30.709 61.009,30.726 63.779,30.734 70.637,30.759 68.351,31.318 76.799,31.456 73.533,31.496 55.306,31.587 109.626,31.877 59.639,31.979 63.322,32.08 64.719,32.334
  other v2: 104.191,1.067 93.142,1.575 110.388,1.626 87.96,1.676 89.56,2.896 91.618,2.921 86.081,3.48 101.752,3.607 2.438,3.708 35.585,4.013 96.876,4.115 104.292,4.648 105.816,4.699 107.315,4.699 132.563,5.664 101.219,7.137 5.41,7.849 127.406,8.509 128.499,9.703 9.779,10.084 7.62,10.135 128.473,10.998 135.407,12.954 7.595,13.208 23.749,13.386 138.709,15.469 107.213,16.205 103.48,16.434 117.805,16.739 105.537,17.501 138.76,18.618 104.165,20.422 114.452,23.19 40.843,23.343 47.295,23.419 52.857,26.01 80.518,26.619 83.16,27.127 107.985,29.938 111.363,29.938 87.02,31.775 12.014,32.156 104.445,32.233 79.908,32.334 33.299,32.385
  other v3: 78.59,10.494 79.69,10.494 80.79,10.494 82.99,10.494 82.99,12.694 48.303,13.472 50.503,13.472 78.59,13.794 82.99,13.794 48.303,14.572 50.503,14.572 78.59,14.894 82.99,14.894 50.503,15.672 64.938,17.78 65.938,17.78 66.938,17.78
MCU_D_N: R701.1 U201.2 | length 20.1
  COMPONENT w0.152: R701.1@59.983,9.102 60.448,9.102 cw(c60.448,8.311) 61.008,8.87 61.239,8.639 v1(61.239,8.382) ; v1@77.264,6.937 77.467,7.14 77.467,7.695 77.54,7.767 U201.2@77.54,8.319
  SIGNAL w0.152: v1(61.239,8.382) 61.473,8.382 62.633,7.223 ccw(c64.678,9.268) 62.634,7.221 ccw(c64.678,9.268) 64.678,6.375 76.251,6.375 ccw(c76.251,7.503) 77.048,6.706 v1(77.343,6.706)